# Altium PCB USB_Tool.PcbDoc
Units mil, origin at the board's own origin, x right, y up, seen from the top; angles counter-clockwise.
Board outline 826.77 x 2027.56 mil, 2 copper layers (Top Layer, Bottom Layer), stack 12.8 mil thick; 54 components, 46 nets, 254 pads, 57 vias.
Unrouted connection lines stored in the file: 10.
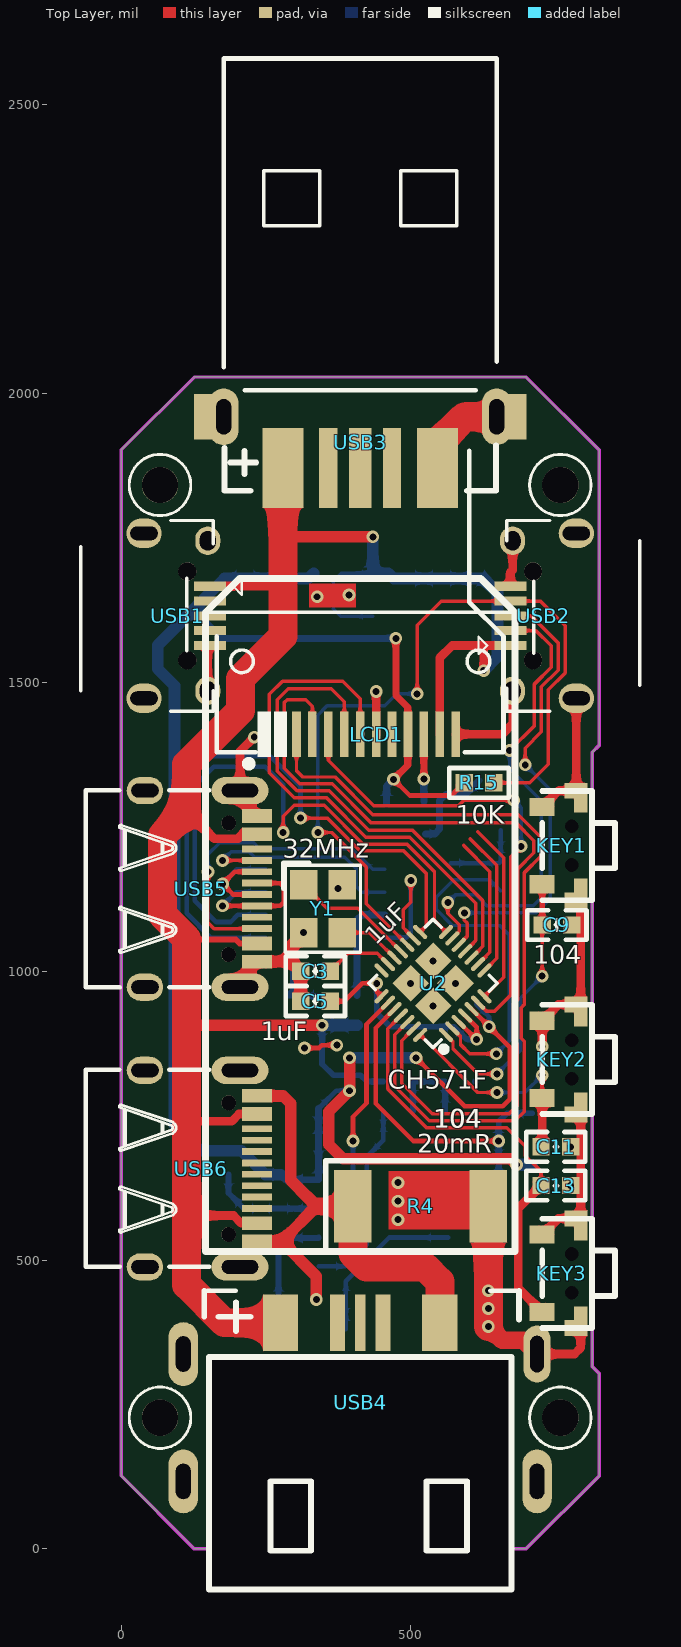
[diagram p0: Top Layer view]
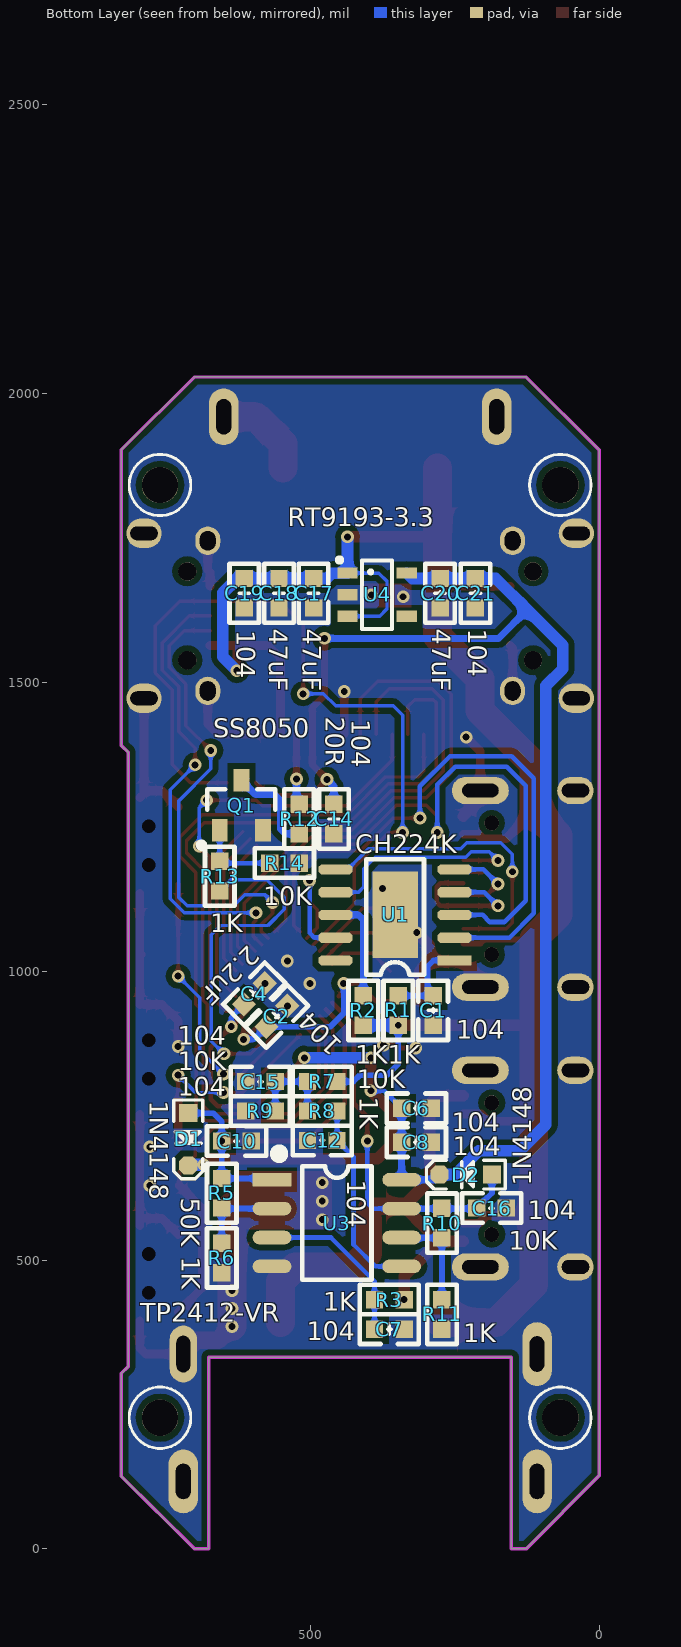
[diagram p1: Bottom Layer view, seen from below]
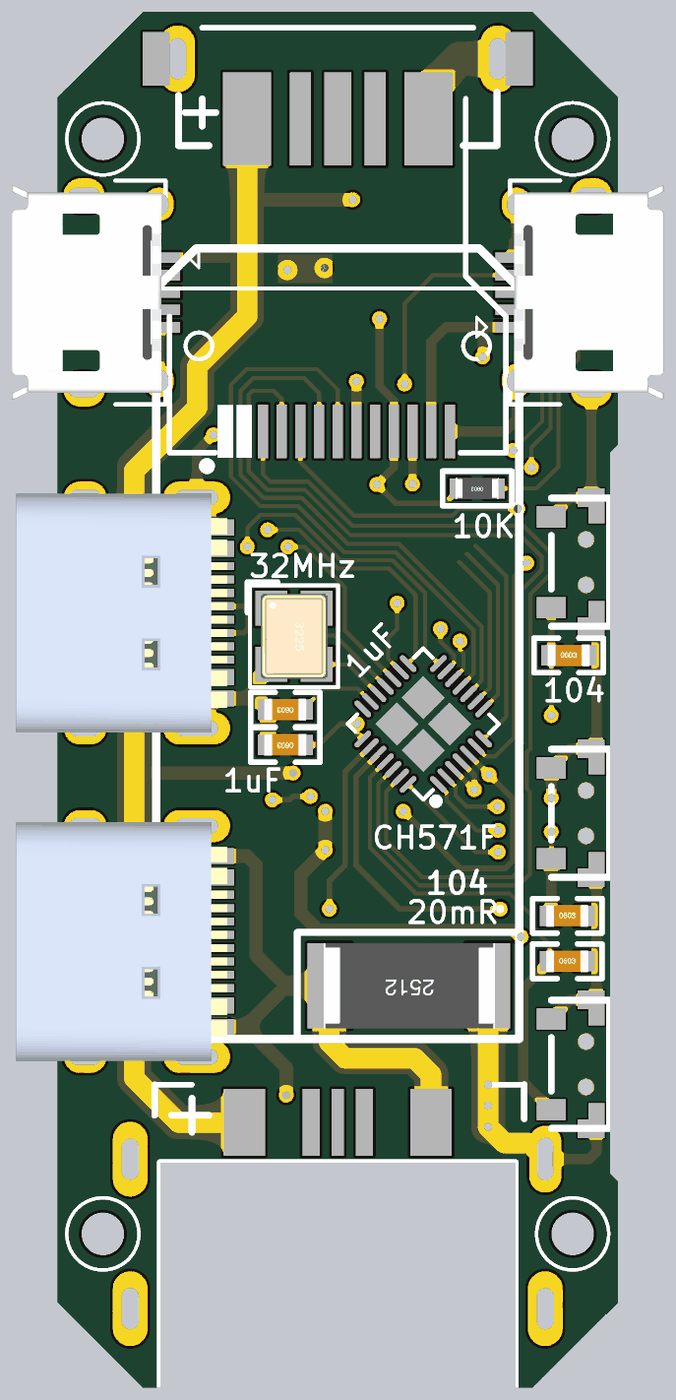
[diagram p2: 3D render of the assembled board from above, using the file's embedded part models]
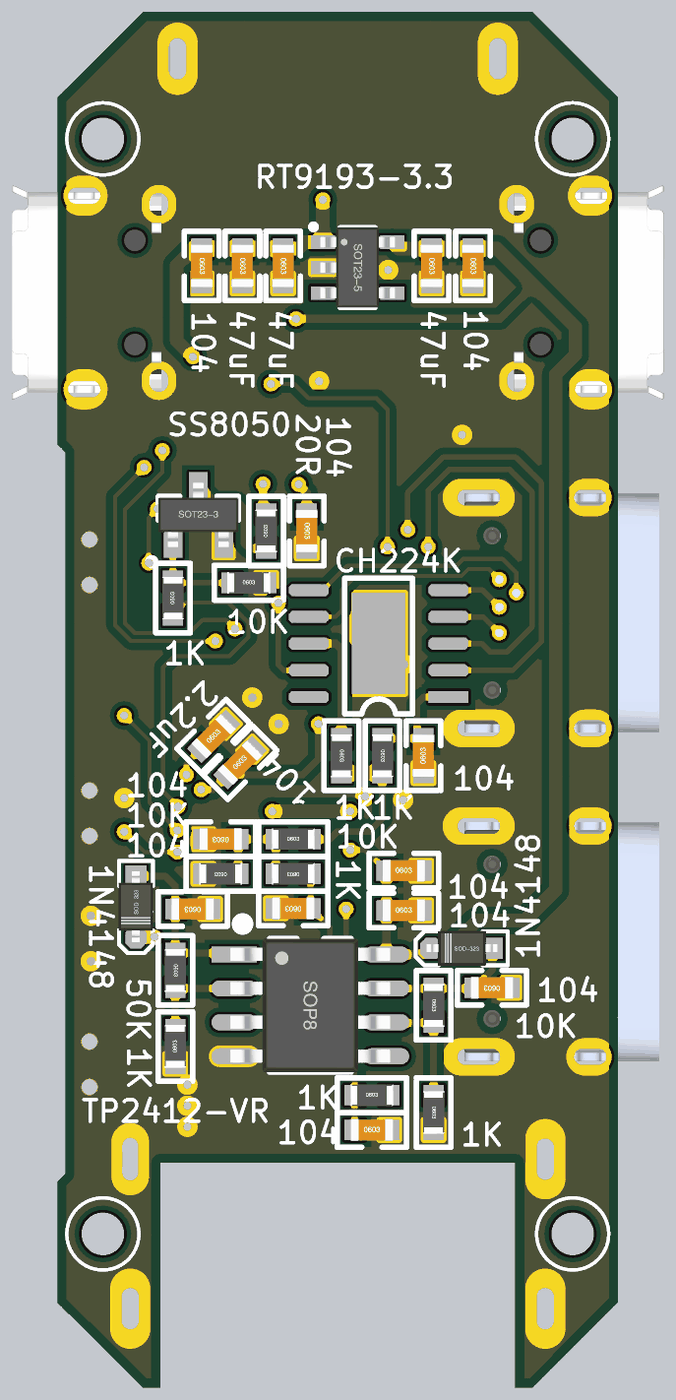
[diagram p3: 3D render of the assembled board from below, using the file's embedded part models]

## Layer stack, top to bottom
Top Solder: solder mask 0.4, Solder Resist, Dk 3.5
Top Layer: signal copper 1.4
Dielectric1: core 10, FR-4, Dk 4.2
Bottom Layer: signal copper 1.4
Bottom Solder: solder mask 0.4, Solder Resist, Dk 3.5

## Board outline
125.98,0.75 151.57,0.75 151.57,332 675.2,332 675.2,0.75 700.79,0.75 826.77,125.98 826.77,303.9 814.96,315.71 814.96,1378.7 826.77,1390.51 826.77,1902.32 700.79,2027.56 700.79,2028.31 125.98,2028.31 125.98,2027.56 0,1902.32 0,126.73

## Design rules (kind name [scope] priority, off if disabled: settings)
Clearance "Clearance - Default - DEFAULT - Net" [All] p1: gap=6 except(10: Arc-Poly Track-Poly SMDPad-Poly THPad-Poly Via-Poly Fill-Poly Poly-Poly)
ComponentClearance "ComponentClearance - Default - DEFAULT" [All] p1: gap=0 collisioncheckmode=3 verticalgap=0 showdistances=FALSE
DiffPairsRouting "DiffPairsRouting - DiffPair - Default" [All] p1: maxlimit=5 minlimit=5 mostfreqgap=5 toplayer_minwidth=5 toplayer_maxwidth=5 toplayer_prefwidth=5 bottomlayer_minwidth=5 bottomlayer_maxwidth=5 bottomlayer_prefwidth=5 maxuncoupledlength=500
FanoutControl Fanout_SOIC [IsSOIC] p1: bgadir=Out bgaviamode=Centered fanoutstyle=Auto fanoutdirection=Alternating viagrid=1 // Fanout_SOIC (Default Rule)
FanoutControl Fanout_Small [(CompPinCount < 5)] p2: bgadir=Out bgaviamode=Centered fanoutstyle=Auto fanoutdirection=OutThenIn viagrid=1 // Fanout_Small (Default Rule)
FanoutControl Fanout_LCC [IsLCC] p3: bgadir=Out bgaviamode=Centered fanoutstyle=Auto fanoutdirection=Alternating viagrid=1 // Fanout_LCC (Default Rule)
FanoutControl Fanout_BGA [IsBGA] p4: bgadir=Out bgaviamode=Centered fanoutstyle=Auto fanoutdirection=Alternating viagrid=1 // Fanout_BGA (Default Rule)
HoleSize [All] p1: absolutevalues=TRUE maxlimit=1000 minlimit=1 maxpercent=80.000 minpercent=20.000
HoleToHoleClearance "HoleToHoleClearance - Default - DEFAULT" [All] p1 off: gap=0 allowstackedmicrovias=TRUE
Length "Length - NetClass - SJ1" [InNetClass('SJ1')] p1: maxlimit=962 minlimit=937
Length "Length - NetClass - MLNetGroup5" [InNetClass('MLNetGroup5')] p2: maxlimit=18503.27 minlimit=0
Length "Length - NetClass - MLNetGroup6" [InNetClass('MLNetGroup6')] p3: maxlimit=18503.27 minlimit=0
Length "Length - NetClass - DZX" [InNetClass('DZX')] p4: maxlimit=1085 minlimit=985
Length "Length - NetClass - SJ2" [InNetClass('SJ2')] p5: maxlimit=495 minlimit=470
Length "Length - NetClass - MLNetGroup4" [InNetClass('MLNetGroup4')] p6: maxlimit=2468 minlimit=2368
Length "Default Length" [All] p7: maxlimit=50000 minlimit=0
MatchedLengths "MatchedLengths - NetClass - DZX" [InNetClass('DZX')] p1: tolerance=100 checknetsindiffpair=FALSE checkdiffpairvsdiffpair=TRUE checkxsignals=TRUE checkothers=TRUE
MatchedLengths "MatchedLengths - NetClass - SJ1" [InNetClass('SJ1')] p2: tolerance=25 checknetsindiffpair=FALSE checkdiffpairvsdiffpair=TRUE checkxsignals=TRUE checkothers=TRUE
MatchedLengths "MatchedLengths - NetClass - MLNetGroup4" [InNetClass('MLNetGroup4')] p3: tolerance=100 checknetsindiffpair=FALSE checkdiffpairvsdiffpair=TRUE checkxsignals=TRUE checkothers=TRUE
MatchedLengths "MatchedLengths - NetClass - MLNetGroup5" [InNetClass('MLNetGroup5')] p4: tolerance=200 checknetsindiffpair=FALSE checkdiffpairvsdiffpair=TRUE checkxsignals=TRUE checkothers=TRUE
MatchedLengths "MatchedLengths - NetClass - MLNetGroup6" [InNetClass('MLNetGroup6')] p5: tolerance=200 checknetsindiffpair=FALSE checkdiffpairvsdiffpair=TRUE checkxsignals=TRUE checkothers=TRUE
MatchedLengths "MatchedLengths - NetClass - SJ2" [InNetClass('SJ2')] p6: tolerance=25 checknetsindiffpair=FALSE checkdiffpairvsdiffpair=TRUE checkxsignals=TRUE checkothers=TRUE
MaxMinImpedance "Default Impedance" [All] p1: minimum=50.00 maximum=150.0
MinimumSolderMaskSliver [All] p1 off: minsoldermaskwidth=10
NetAntennae [All] p1 off: netantennaetolerance=0
ParallelSegment "Default Parallel Segment Same Layer" [All] p1 off: limit=1000 gap=200
PlaneConnect "Default PlaneConnect" [All] p1: planeconnectstyle=Relief reliefexpansion=20 reliefentries=0 reliefconductorwidth=15 reliefairgap=10
PolygonConnect "PolygonConnect - Default SMT" [IsSMTPin] p1: connectstyle=Direct reliefconductorwidth=10 reliefentries=4 polygonreliefangle="45 Angle" airgapwidth=10
PolygonConnect "PolygonConnect - Default Pad" [All] p2: connectstyle=Direct reliefconductorwidth=15 reliefentries=4 polygonreliefangle="45 Angle" airgapwidth=10
RoomDefinition USB_Tool [InComponentClass('USB_Tool')] p1: confinementstyle=ConfineIn formatcopy=TRUE lockcomponents=FALSE outline -19143.7,-8861.46 -17143.7,-8861.46 -17143.7,-7861.46 -19143.7,-7861.46
RoutingLayers "RoutingLayers - Default - DEFAULT" [All] p1: top layer_v5=TRUE bottom layer_v5=TRUE
RoutingPriority "RoutingPriority - Default - DEFAULT" [All] p1: routingpriority=3
RoutingTopology "Default Routing Topology" [All] p1: topology=Shortest
RoutingVias "RoutingVias - Default - DEFAULT" [All] p1: holewidth=12 width=22 viastyle="Through Hole" minholewidth=12 minwidth=22 maxholewidth=200 maxwidth=500
SMDToCorner "SMDToCorner - Default - DEFAULT" [All] p1: distance=0
SilkToSilkClearance [All] p1 off: silktosilkclearance=10
SilkToSolderMaskClearance [IsPad] p1 off: minsilkscreentomaskgap=10 clearancetoexposedcopper=TRUE
SolderMaskExpansion [All] p1: expansion=4
Width "Width - Net - GND" [InNet('GND')] p1: maxlimit=100 minlimit=6 preferedwidth=10 minimp=50.000000 maximp=50.000000 favimp=50.000000
Width "Width - NetClass - GND_POW" [InNetClass('GND_POW')] p2: maxlimit=100 minlimit=5 preferedwidth=16
Width "Default Width" [All] p3: maxlimit=100 minlimit=5 preferedwidth=5
14 further rules are at their usual default settings.

## Components (designator, comment, footprint, x,y, rotation, side; value= is the part's Value field where it differs from the comment)
C1 "104" "C 0603_L" 287,932 r90 bottom
C2 "104" "C 0603_L" 557.55,921.83 r135 bottom
C3 "1uF" "C 0603_L" 336,1000 r180 top
C4 "2.2uF" "C 0603_L" 596.44,960.72 r135 bottom
C5 "1uF" "C 0603_L" 336,948 r180 top
C6 "104" "C 0603_L" 316,762.6 r180 bottom
C7 "104" "C 0603_L" 363,380.42 r180 bottom
C8 "104" "C 0603_L" 316,704 r180 bottom
C9 "104" "C 0603_L" 753.94,1079.95 r0 top
C10 "104" "C 0603_L" 627.42,705.99 r0 bottom
C11 "104" "C 0603_L" 752,696 r0 top
C12 "104" "C 0603_L" 479,707 r0 bottom
C13 "104" "C 0603_L" 752,629 r0 top
C14 "104" "C 0603_L" 459,1263.34 r270 bottom
C15 "104" "C 0603_L" 586,808.99 r0 bottom
C16 "104" "C 0603_L" 186,590 r0 bottom
C17 "47uF" "C 0603_L" 494,1654 r270 bottom
C18 "47uF" "C 0603_L" 554,1654 r270 bottom
C19 "104" "C 0603_L" 614,1654 r270 bottom
C20 "47uF" "C 0603_L" 275,1654 r270 bottom
C21 "104" "C 0603_L" 214,1654 r270 bottom
D1 "1N4148" SOD-323 711,709 r270 bottom
D2 "1N4148" SOD-323 230.59,648 r0 bottom
KEY1 "KEY_3" "TSW 2*4*3.5-S-W" 779.53,1217.28 r90 top locked
KEY2 "KEY_3" "TSW 2*4*3.5-S-W" 779.53,847.2 r90 top locked
KEY3 "KEY_3" "TSW 2*4*3.5-S-W" 779.53,477.13 r90 top locked
LCD1 "LCD" 0.96LCD 413.39,1410.2 r90 top locked
Q1 "SS8050" SOT23-3N 619,1287 r180 bottom
R1 "1K" "R 0603_L" 347.5,931.99 r270 bottom
R2 "1K" "R 0603_L" 408,931.99 r270 bottom
R3 "1K" "R 0603_L" 363,431.6 r180 bottom
R4 "20mR" "R 2512_L" 519,593 r180 top
R5 "50K" "R 0603_L" 653,615.59 r270 bottom
R6 "1K" "R 0603_L" 653.01,503.59 r90 bottom
R7 "10K" "R 0603_L" 478.99,809 r180 bottom
R8 "1K" "R 0603_L" 479,758 r0 bottom
R9 "10K" "R 0603_L" 586,758 r0 bottom
R10 "10K" "R 0603_L" 272,564 r270 bottom
R11 "1K" "R 0603_L" 272,406 r270 bottom
R12 "20R" "R 0603_L" 519,1263.34 r90 bottom
R13 "1K" "R 0603_L" 656.4,1164.4 r90 bottom
R14 "10K" "R 0603_L" 544.59,1187 r180 bottom
R15 "10K" "R 0603_L" 619,1326 r180 top
U1 "CH224K" ESSOP10 250,1018.63 r90 bottom
U2 "CH571F" QFN28_4X4 539.46,978.81 r45 top locked
U3 "TP2412-VR" SOP8_N 453.8,564 r180 bottom
U4 "RT9193-3.3" SOT23-5L 384.18,1651.6 r270 bottom
USB1 "USB-5P" USB-MICRO_B 39.37,1614.92 r270 top
USB2 "USB-5P" USB-MICRO_B 787.4,1614.92 r90 top locked
USB3 "USB-A5/P" USB_A5/P_B 413.39,1910.2 r90 top locked
USB4 "USB-A5/S" USB_A5/S_B 413.39,422.01 r270 top locked
USB5 "USB TypeC" "USB Type-C" 137.8,1142.48 r270 top locked
USB6 "USB TypeC" "USB Type-C" 137.8,658.23 r270 top locked
Y1 "32MHz" "OSC 3225-4P" 349,1108 r270 top

## Footprints (in the part's own frame and the unit in brackets; to place one, negate y for a bottom-side part, rotate by r counter-clockwise, add the part's x,y. Pads: shape width x height; smd on the part's side, far side on the other; paste and mask are expansions set on the pad)
0.96LCD [mm]
  rect 2x0.38 smd: 3(0,2.8) 4(0,2.1) 5(0,1.4) 6(0,0.7) 7(0,0) 8(0,-0.7) 9(0,-1.4) 10(0,-2.1) 11(0,-2.8) 12(0,-3.5) 13(0,-4.2)
  silkscreen extent -1.45,-6.3 12.45,6.3
"C 0603_L" [mil] "无极性贴片电容"
  rect 30x30 smd: 1(-25.59,0) 2(25.59,0)
  silkscreen extent -51,-26 51,26, body extent 0,0 0,0
ESSOP10 [mm]
  rect 3.8x2 smd: 0(2.007,2.616)
  rect 0.45x1.5 smd: 1(0,0)
  oct 0.45x1.5 smd: 2(1,0) 3(2,0) 4(3,0) 5(4,0) 6(4,5.232) 7(3,5.232) 8(2,5.232) 9(1,5.232) 10(0,5.232)
  silkscreen extent -0.64,1.35 4.44,3.89
"OSC 3225-4P" [mm] "3.2*2.5*0.7mm(长宽高)"
  rect 1.3x1.2 smd: 1(-1.05,-0.85) 2(1.05,-0.85) 3(1.05,0.85) 4(-1.05,0.85)
  silkscreen extent -2.03,-1.75 1.9,1.65, body extent -1.6,-1.25 1.6,1.25, height 0.7
QFN28_4X4 [mm]
  rect 1.143x1.143 smd mask+0: 0(-0.699,-0.699) 0(-0.698,0.699) 0(0.698,0.699) 0(0.699,-0.699)
  oval 0.2x0.8 smd: 1(-1.2,-2) 2(-0.8,-2) 3(-0.4,-2) 4(0,-2) 5(0.4,-2) 6(0.8,-2) 7(1.2,-2) 15(1.2,2) 16(0.8,2) 17(0.4,2) 18(0,2) 19(-0.4,2) 20(-0.8,2) 21(-1.2,2)
  oval 0.8x0.2 smd: 8(2,-1.2) 9(2,-0.8) 10(2,-0.4) 11(2,0) 12(2,0.4) 13(2,0.8) 14(2,1.2) 22(-2,1.2) 23(-2,0.8) 24(-2,0.4) 25(-2,0) 26(-2,-0.4) 27(-2,-0.8) 28(-2,-1.2)
  silkscreen extent -2,-2.51 2,2
"R 0603_L" [mil] "1/10W贴片电阻"
  rect 30x30 smd: 1(-25.59,0) 2(25.59,0)
  silkscreen extent -51,-26 51,26, body extent 0,0 0,0
"R 2512_L" [mm] "1W贴片电阻"
  rect 1.65x3.2 smd: 1(-2.95,0) 2(3,0)
  silkscreen extent -4.1,-2 4.2,2, body extent -3.2,-1.6 3.2,1.6, height 0.55
SOD-323 [mm] "二极管"
  rect 0.8x0.8 smd mask+0.076: 1(-1.15,0)
  oct 0.8x0.8 smd mask+0.076: 2(1.15,0)
  silkscreen extent -1.73,-0.63 1.73,0.64, body extent -0.01,-0.01 -0.01,-0.01, height 0.05
SOP8_N [mm] "5*6*1.8mm（长宽高）"
  rect 1.7x0.6 smd: 1(-2.85,1.905)
  oval 1.7x0.6 smd: 2(-2.85,0.635) 3(-2.85,-0.635) 4(-2.85,-1.905) 5(2.85,-1.905) 6(2.85,-0.635) 7(2.85,0.635) 8(2.85,1.905)
  silkscreen extent -2.69,-2.5 1.52,3.2, body extent 0,0 0,0
SOT23-3N [mm] "3x1.3x1mm(长宽高)"
  rect 0.7x1 smd: 1(-0.95,-1.1) 2(0.95,-1.1) 3(0,1.1)
  silkscreen extent -1.88,-1.88 1.5,0.7, body extent 0,0 0,0
SOT23-5L [mm] "3x1.6x1.1mm(长宽高)"
  rect 0.5x0.9 smd: 1(-0.95,-1.3) 2(0,-1.3) 3(0.95,-1.3) 4(0.95,1.3) 5(-0.95,1.3)
  silkscreen extent -1.6,-1.73 1.5,0.66, body extent 0,0 0,0
"TSW 2*4*3.5-S-W" [mm]
  rect 0.7x1 smd mask+0.064: 0(-2.413,-0.19) 0(2.413,-0.19)
  rect 1.3x0.6 smd mask+0.064: 0(-2.1,-0.395) 0(2.1,-0.395)
  round 0 hole 0.6: 0(-0.85,0) 0(0.85,0)
  rect 0.8x1.1 smd mask+0.064: 1(1.7,1.3) 2(-1.7,1.3)
  silkscreen extent -2.4,-1.9 2.4,1.3
"USB Type-C" [mm] "USB Type-C 12P/16P"
  rect 0.6x1.3 smd mask+0.064: 1(-3.2,2.462) 2(-2.4,2.462) 11(2.4,2.462) 12(3.2,2.462)
  rect 0.3x1.3 smd mask+0.064: 3(-1.75,2.462) 4(-1.25,2.462) 5(-0.75,2.462) 6(-0.25,2.462) 7(0.25,2.462) 8(0.75,2.462) 9(1.25,2.462) 10(1.75,2.462)
  oval 1.2x2.5 hole 0.6 slot 1.6 at 90 deg: SH1(-4.32,1.717) SH3(4.32,1.717)
  oval 1.2x1.6 hole 0.6 slot 1.2 at 90 deg: SH2(-4.32,-2.462) SH4(4.32,-2.462)
  round 0.65 hole 0.65 unplated mask+0: ""(-2.89,1.218) ""(2.89,1.218)
  silkscreen extent -4.34,-5.07 4.32,0.37, body extent -4.47,-5.04 4.47,2.86, height 3.2
USB-MICRO_B [mm] "micro型USB ，5.7*7.8*2.5mm"
  rect 0.4x1.4 smd: 1(-1.3,2.9) 2(-0.65,2.9) 3(0,2.9) 4(0.65,2.9) 5(1.3,2.9)
  oval 1.3x1.55 hole 0.6 slot 1.2 at 90 deg: 6(-3.625,0) 6(3.625,0)
  oval 1.25x1.1 hole 0.7 slot 0.85 at 0 deg: 6(-3.3,2.8) 6(3.3,2.8)
  round 0.8 hole 0.8 unplated: ""(-1.95,1.9) ""(1.95,1.9)
  silkscreen extent -4.19,-2.79 4.19,4.3, body extent -4,-2.71 4,2.89, height 2.8
USB_A5/P_B [mm]
  rect 3.5x1.8 smd: 1(-1,3.4) 5(-1,-3.4)
  rect 3.5x0.8 smd: 2(-1,1.4) 4(-1,-1.4)
  rect 3.5x1 smd: 3(-1,0)
  oval 2.5x1.3 hole 0.65 slot 1.55 at 0 deg: 6(1.25,6) 6(1.25,-6)
  rect 2x1 smd: 6(1.25,6.8) 6(1.25,-6.8)
  silkscreen extent -2,-6 17,6
USB_A5/S_B [mm]
  rect 2.5x1.55 smd: 1(0.773,-3.5) 5(0.773,3.5)
  rect 2.5x0.65 smd: 2(0.773,-1) 4(0.773,1)
  rect 2.5x0.45 smd: 3(0.773,0)
  oval 2.8x1.3 hole 1.55 slot 0.65 at 90 deg: 6(2.15,-7.775) 6(7.75,7.775) 6(7.75,-7.775)
  silkscreen extent -0.63,-6.86 12.5,6.98

## Part data
C1 C2 C3 C4 C5 C6 C7 C8 C9 C10 C11 C12 C13 C15 C16 C17 C18 C19 C20 C21: library part C, "无极性贴片电容"
C14: library part C, "无极性电容"
D1 D2: library part D, "二极管"
KEY1 KEY2 KEY3: "侧按键"
LCD1: library part "LCD 0.96", "0.96 LCD 80*160"
Q1: library part 8050-SMD, "高频放大-NPN型"
R1 R2 R3 R4 R5 R6 R7 R8 R9 R10 R11 R12 R13 R14 R15: library part R, "贴片电阻"
U1: "USB PD & Type-C & Fast Charge Power Consumer Controller"
U2: "RISC-V MCU with BLE/USB/ADC/SPI/2*UART"
U3: library part TP2412, "低噪双路运放 5.5V 10MHz 1mV"
U4: library part "LDO RT9193", "LDO"
USB1 USB2 USB3 USB4: library part "USB 2.0 micro B", "micro_USB母座"
USB5 USB6: library part "USB 2.0 Type C", "12P TypeC 母座"
Y1: library part Y-3225-4P, "晶振25MHz"

## Free pads (board coordinates)
  oval 47.24x98.43 hole 23.62 slot 62.99 at 90 deg: 6(719.49,337.36)
  round 62.99 hole 62.99 unplated: 8(66.93,227.13) 8(66.93,1841.3) 8(759.84,227.13) 8(759.84,1841.3)

## Via types
v1: diameter 22, hole 12, Top Layer to Bottom Layer, 57 vias

## Nets (pads, with @x,y where several pads share a name; then routed paths per layer and width w, separated by ;. In a path a pad name is that pad's centre, name@x,y a point inside that pad or via, vN(x,y) a via of type N, cw(c..) or ccw(c..) an arc to the next point about the centre after c; other vN are vias at no path point)
ANT: U2.21
CC1: U1.7 USB5.4 | length 394.3
  Top Layer w6: v1(175,1191.69) USB5.4
  Bottom Layer w6: v1(175,1191.69) 190.31,1207 221,1207 231,1197 387,1197 407,1177 407,1146 416.26,1136.74 U1.7
CC2: U1.6 USB5.10 | length 540.4
  Top Layer w6: v1(150,1172) 150,1084 151,1083 160.42,1073.58 USB5.10
  Bottom Layer w6: v1(150,1172) 150,1202 170,1222 229,1222 239,1212 399,1212 434.89,1176.11 U1.6
CFG1: U1.9 U2.16 | length 252.4
  Top Layer w6: v1(501,1157) 501,1119 488,1106 488,1074.81 U2.16
  Bottom Layer w8: U1.9 493,1058 501,1066 v1(501,1157)
CFG2: U1.2 U2.15 | length 1041.1
  Top Layer w6: v1(310,1265) 356.18,1265 413.18,1208 489.09,1208 528,1169.09 528,1078.71 U2.15
  Bottom Layer w8: U1.2 155,1058 113,1100 113,1334 151,1372 258,1372 310,1320 v1(310,1265)
CFG3: U1.3 U2.14 | length 1062.8
  Top Layer w6: v1(280,1240) 280,1268 299,1287 351.15,1287 418.15,1220 494.06,1220 542,1172.06 542,1087.63 U2.14
  Bottom Layer w8: U1.3 201.37,1097.37 189,1085 164,1085 127,1122 127,1321 160,1354 249,1354 280,1323 v1(280,1240)
D+: USB1.3 USB3.3 USB4.3 USB6.6 USB6.8
D-: USB1.2 USB3.2 USB4.2 USB6.5 USB6.7
DM: U1.5 USB5.5 USB5.7 | length 221.2
  Top Layer w8: USB5.7 193.36,1132.64 v1(175,1151) 196.01,1172.01 USB5.5
  Bottom Layer w8: v1(175,1151) 200.11,1176.11 U1.5
DP: U1.4 USB5.6 USB5.8 | length 269.2
  Top Layer w8: v1(175,1112.95) USB5.8 274.95,1112.95 281,1119 281,1146 274.68,1152.32 USB5.6
  Bottom Layer w8: v1(175,1112.95) 198.79,1136.74 U1.4
GND: C1.1 C2.2 C3.2 C4.2 C5.2 C6.2 C7.2 C8.2 C9.2 C10.1 C11.2 C12.2 C13.2 C14.2 C15.2 C16.1 C17.2 C18.2 C19.2 C20.2 C21.2 KEY1.0 KEY1.1 KEY2.0 KEY2.1 KEY3.0 KEY3.1 LCD1.8 LCD1.13 pad.6 Q1.2 R4.1 R6.1 R9.2 R11.2 R14.2 U1.0 U2.0 U3.4 U4.2 USB1.5 USB1.6 USB2.5 USB2.6 USB3.5 USB3.6 USB4.6 USB5.1 USB5.12 USB5.SH1 USB5.SH2 USB5.SH3 USB5.SH4 USB6.SH1 USB6.SH2 USB6.SH3 USB6.SH4 Y1.2 Y1.4 | length 2286.6
  Top Layer w8: v1(317,867) 342,867 347,872 v1(373,872)
  Top Layer w15: USB1.6@149.61,1485 149.61,1559.81 USB1.5 ; USB5.SH1 205.41,1380.41 v1(230,1405) ; LCD1.8 v1(440.95,1483.95) ; LCD1.13 659.2,1410.2 677.17,1428.17 USB2.6@677.17,1485 ; USB2.5 673.23,1690.23 677.17,1694.17 USB2.6@677.17,1744.84 ; pad.6 784.36,337.36 795.09,348.09 KEY3.0@795.09,394.45 ; KEY3.1 756.42,572.13 KEY3.0@787.03,572.13 ; v1(728.35,869.65) KEY2.1 756.42,942.21 KEY2.0@787.03,942.21 ; KEY1.1 756.42,1312.28 KEY1.0@787.03,1312.28 ; USB2.6@787.4,1472.21 787.4,1307.65 KEY1.0@795.09,1299.96 ; 792.85,1028.76 795.09,1031 ; KEY3.0@795.09,559.8 KEY2.0@795.09,752.21 ; KEY2.0@795.09,942.21 795.09,1031 ; KEY1.0@795.09,1134.61 795.09,1031
  Top Layer w20: USB5.SH3 205.41,987.17 USB5.12 293.92,1016.5 ; USB5.SH1 205.41,1297.8 USB5.1 ; C5.2 C3.2 293.92,1016.5 ; v1(315.54,1066.66) 293.92,1045.04 293.92,1016.5
  Top Layer w30: v1(635.14,385) 659.14,361 695.85,361 pad.6
  Top Layer w50: USB3.5 547.24,1913.24 593.41,1959.41 USB3.6@649.61,1959.41 ; v1(635.14,385) v1(635.14,416) v1(635.14,447) R4.1
  Bottom Layer w10: C15.2 C15.2@613,809
  other v1: 479,570 479,602 777.59,629 479,634 777.59,696 539.46,939.92 500.57,978.81 578.35,978.81 539.46,1017.7 375,1143 339,1648 394,1651
I_OUT: C10.2 D1.1 R5.1 U2.24 U3.1 | length 667.4
  Top Layer w8: U2.24 440,901.63 440,771 505.01,706 v1(653.01,706)
  Bottom Layer w10: U3.1 568.19,641.19 R5.1 v1(653.01,706) 653.01,740.01 667.28,754.28 D1.1
ID: USB1.4 USB3.4 USB4.4
KEY1: C9.1 KEY1.2 U2.1 | length 483.8
  Top Layer w6: U2.1 574,877.46 574,866 618,822 v1(650,822) ; v1(728.35,991.35) C9.1
  Top Layer w10: C9.1 KEY1.2
  Bottom Layer w6: v1(650,822) 691.15,863.15 691.15,954.15 v1(728.35,991.35)
KEY2: C11.1 KEY2.2 U2.28 | length 389.7
  Top Layer w6: U2.28 616.92,790 v1(650,790) ; KEY2.2 v1(728.35,820)
  Top Layer w15: C11.1 728.35,697.94 KEY2.2
  Bottom Layer w6: v1(650,790) 698.35,790 v1(728.35,820)
KEY3: C13.1 KEY3.2 U2.25 | length 747.1
  Top Layer w6: U2.25 461,900.36 461,796.09 528.09,729 667,729 699,697 699,680.68 726.41,653.27 C13.1
  Top Layer w15: C13.1 687,589.59 687,451.54 KEY3.2
LCD_BL: R13.1 U2.2 | length 614.5
  Top Layer w6: U2.2 587,886.73 587,873 603,857 v1(649,857)
  Bottom Layer w6: v1(649,857) 671,879 671,1063 655,1079 573,1079 545,1107 545,1128 575,1158 637.21,1158 R13.1
LCD_CS: LCD1.7 U2.11 | length 918.6
  Top Layer w6: LCD1.7 413.39,1471.61 383,1502 279,1502 256,1479 256,1343.09 299.09,1300 355.12,1300 423.12,1232 499.03,1232 613.69,1117.34 613.69,1053.05 U2.11
LCD_RES: LCD1.6 U2.10 | length 868.4
  Top Layer w6: LCD1.6 385.83,1466.17 363,1489 289.03,1489 270,1469.97 270,1346.06 304.06,1312 360.09,1312 428.09,1244 504,1244 625.69,1122.31 625.69,1042.78 U2.10
LCD_RS: LCD1.5 U2.6 | length 827
  Top Layer w6: LCD1.5 358.27,1364.73 437,1286 583,1286 593,1296 v1(679,1296) ; U2.6 631.81,931 646,931 673.69,958.69 673.69,1197.69 v1(692,1216)
  Bottom Layer w6: v1(679,1296) 692,1283 v1(692,1216)
LCD_SCL: LCD1.4 U2.27 | length 1509.6
  Top Layer w6: LCD1.4 330.71,1458.29 319,1470 287,1470 282,1465 282,1351.03 309.03,1324 365.06,1324 432.06,1257 683,1257 714,1226 714,1205 685.69,1176.69 685.69,950.69 678,943 678,880.93 685,873.93 685,767 671,753 538.03,753 485,806.03 485,879.81 U2.27
LCD_SDA: LCD1.3 U2.26 | length 1400.4
  Top Layer w6: LCD1.3 303.15,1346.85 314,1336 370.03,1336 435.03,1271 687,1271 726,1232 726,1199 697.69,1170.69 697.69,942.69 692,937 692,883.9 697,878.9 697,757 681,741 533.06,741 473,801.06 473,890.08 U2.26
NetC1_2: C1.2 R1.1 U1.1 | length 166.5
  Bottom Layer w10: U1.1 286.37,1018.63 297,1008 297,967.59 C1.2 R1.1
NetC7_1: C7.1 R3.1 U3.3 | length 291.8
  Bottom Layer w8: C7.1 R3.1 388.59,463.59 464,539 U3.3
NetC12_1: C12.1 R8.1 U3.5 | length 341.9
  Bottom Layer w8: U3.5 387,489 425,527 425,678.6 C12.1 R8.1
NetC15_1: C15.1 R7.1 R8.2 R9.1 | length 157.8
  Bottom Layer w10: R8.2 R7.1 C15.1 R9.1
NetLCD1_11: LCD1.11 R12.2 | length 116.6
  Top Layer w12: v1(523.62,1332.62) LCD1.11
  Bottom Layer w12: R12.2@523.62,1293.55 v1(523.62,1332.62)
NetQ1_1: Q1.1 R13.2 R14.1 | length 141.2
  Bottom Layer w8: R14.1 653.41,1187 R13.2 Q1.1
NetQ1_3: Q1.3 R12.1 | length 159.3
  Bottom Layer w12: R12.1@526.75,1237.75 542.75,1237.75 551,1246 551,1295 562,1306 594.69,1306 Q1.3
NetR2_1: R2.1 U1.8 | length 182.9
  Bottom Layer w12: R2.1 408,1089 416.37,1097.37 U1.8
NetR5_2: R5.2 R6.2 U3.2 | length 148.2
  Bottom Layer w10: U3.2 652,589 R5.2 R6.2
NetR10_2: R10.2 R11.1 U3.6 | length 176.7
  Bottom Layer w10: R11.1 R10.2 341,538.41 U3.6
OUTG: R3.2 R4.2 USB4.5 USB6.1 USB6.12 | length 900.7
  Top Layer w20: USB6.12 277.24,532.24 ; USB6.1 279.79,784.21 293,771 293,638 338,593 277.24,532.24 ; v1(337.41,431.59) 337.41,472.08 277.24,532.24 ; R4.2@400.89,569.89 R4.2
  Top Layer w30: 338,593 R4.2
  Top Layer w50: R4.2@400.89,569.89 400.89,511.11 424,488 526,488 551.18,462.82 USB4.5
PA4: C16.2 D2.1 R10.1 U2.23 U3.7 | length 635.1
  Top Layer w8: v1(401,706) 401,748 424.34,771.34 424.34,908.24 U2.23
  Bottom Layer w8: U3.7 391,589 402,600 401,601 v1(401,706)
  Bottom Layer w10: D2.1 185.32,616.27 C16.2 212.59,589 U3.7
PA9: U2.7 | length 317.4
  Top Layer w6: 616.5,1241.5 661.69,1196.31 661.69,989.69 U2.7
PB10: U2.13 USB2.2 | length 826.9
  Top Layer w6: v1(565,1119) 565,1100 585,1080 585,1068.9 U2.13 ; v1(672,1382) 715,1425 715,1497 744,1526 744,1563 717.67,1589.33 USB2.2
  Bottom Layer w6: v1(565,1119) 578,1132 613,1132 632,1113 713,1113 727,1127 727,1295 672,1350 v1(672,1382)
PB11: U2.12 USB2.3 | length 808.4
  Top Layer w6: U2.12 598.69,1060.31 598.69,1083.31 593.69,1088.31 v1(593.69,1101) ; USB2.3 709.05,1614.92 756,1567.97 756,1521.03 727,1492.03 727,1414 699,1386 v1(699,1357)
  Bottom Layer w6: v1(593.69,1101) 718,1101 742,1125 742,1314 v1(699,1357)
PB14: U2.9 | length 232.4
  Top Layer w6: 592.49,1217.51 637.69,1172.31 637.69,1032.51 U2.9
PB15: U2.8 | length 256.3
  Top Layer w6: 603.5,1229.5 649.69,1183.31 649.69,1022.24 U2.8
PB22: R15.1 U2.17 USB2.4 | length 1432.5
  Top Layer w6: v1(340,1240) 364.21,1240 424,1180.21 424,1116.54 U2.17 ; v1(512,1480) 512,1599 553.51,1640.51 USB2.4 725.49,1640.51 768,1598 768,1516.06 739,1487.06 739,1358 707,1326 R15.1
  Bottom Layer w6: v1(340,1240) 340,1443 356,1459 456,1459 477,1480 v1(512,1480)
USB: C17.1 C18.1 C19.1 LCD1.12 R1.2 R2.2 R7.2 U4.1 U4.3 USB1.1 USB2.1 USB3.1 USB4.1 USB5.2 USB5.11 USB6.2 USB6.11 | length 3931
  Top Layer w10: 113,906 113.41,906.41 ; 113,1056 114,1055 198,1055 205.01,1047.99 USB5.11
  Top Layer w15: 113,577 194,577 207.26,563.74 USB6.11 ; 113,1277 161,1229 201.78,1229 209.75,1236.97 USB5.2 ; 118,740 191,740 203.72,752.72 USB6.2 ; USB1.1 278.63,1666.1 279.53,1667 ; LCD1.12 551.18,1542.18 572.74,1563.74 630,1563.74 ; v1(627,1520) 627,1560.74 630,1563.74 ; USB2.1 630,1563.74
  Top Layer w20: 113.41,906.41 v1(347.5,906.41) ; 279.53,1753 280.89,1751.64 v1(435.36,1751.64)
  Top Layer w50: USB4.1 178.43,391.58 113,457 113,577 113,906 113,1056 71,1098 71,1235 113,1277 113,1358 206,1451 206,1506 279.53,1579.53 279.53,1667 279.53,1753 USB3.1
  Bottom Layer w6: U4.3 379.8,1614.2 367,1627 367,1675 381,1689 U4.1
  Bottom Layer w10: v1(347.5,906.41) 347.5,839.5 367,820 414,820 425,809 R7.2
  Bottom Layer w20: v1(347.5,906.41) R2.2 ; v1(435.36,1751.64) U4.1 462,1689 471.41,1679.59 C17.1 C18.1 C19.1 626.41,1679.59 651,1655 651,1544 v1(627,1520)
VDCIA: C2.1 C5.1 U2.3 U2.4 U2.22 | length 455.6
  Top Layer w8: C5.1 386,948 417,979 v1(442,979) 442,964.91 U2.22 ; U2.3 614,882 v1(615,882) 615,903.27 U2.4
  Bottom Layer w10: v1(442,979) 442,927 465.27,903.73 C2.1 597.38,882 v1(615,882)
VDD33: C4.1 C6.1 C8.1 C14.1 C20.1 C21.1 D1.2 D2.2 LCD1.10 R15.2 U2.5 U3.8 U4.5 | length 3547.5
  Top Layer w8: v1(471,1332) 499,1304 571.41,1304 R15.2 ; v1(510,850) 594,766 660,766 672,778 672,868.54 v1(636.54,904) U2.5
  Top Layer w12: v1(471,1332) 496.06,1357.06 LCD1.10 496.06,1455.94 475,1477 v1(475,1576)
  Top Layer w20: v1(395,850) v1(395,793) 359,757 359,700 384,675 674,675 v1(684,665)
  Bottom Layer w8: C6.1 372,793 v1(395,793) ; C4.1 636.54,920.62 v1(636.54,904)
  Bottom Layer w12: 124.5,1625.5 174,1576 v1(475,1576) ; D2.2 284.87,639 U3.8 C8.1 C6.1 ; C14.1 459,1320 v1(471,1332)
  Bottom Layer w20: D2.2 249,648 208,689 137,689 92,734 92,1494 63,1523 63,1564 124.5,1625.5 178.59,1679.59 C21.1 C20.1 323.59,1679.59 U4.5 ; v1(395,850) v1(510,850) ; v1(684,665) 709.72,665 D1.2
VINTA: C3.1 U2.20 | length 120.5
  Top Layer w6: C3.1 392.59,1031 442.73,1031 U2.20
X32MI: U2.19 Y1.3 | length 108.1
  Top Layer w6: Y1.3 429.34,1066.66 U2.19
X32MO: U2.18 Y1.1 | length 215.8
  Top Layer w6: Y1.1 355.87,1109 409.27,1109 U2.18
pads on no net: LCD1.9 U1.10 U4.4 USB1. USB2. USB5. USB5.3 USB5.9 USB6. USB6.3 USB6.4 USB6.9 USB6.10

## Polygon pours and split planes (outlines as drawn)
GND on Bottom Layer "Mechanical 1-No Net" (solid, remove dead copper, pour order 533): 125.98,0.75 151.57,0.75 151.57,332 675.2,332 675.2,0.75 700.79,0.75 826.77,125.98 826.77,303.9 814.96,315.71 814.96,1378.7 826.77,1390.51 826.77,1902.32 700.79,2027.56 700.79,2028.31 125.98,2028.31 125.98,2027.56 0,1902.32 0,126.73

## Keep-outs
Keep-Out Layer:
  lines w5.98: 814.96,315.71 814.96,1378.7
  lines w6: 125.99,0 0,126.73 0,1902.32 125.99,2027.56 ; 125.99,0.75 151.58,0.75 151.58,332 675.2,332 675.2,0.75 700.79,0.75 826.77,125.98 ; 125.99,2028.31 700.79,2028.31 ; 700.79,2027.56 826.77,1902.32 826.77,1390.51 814.96,1378.7 ; 814.96,315.71 826.77,303.9 826.77,126.73

## Other copper
Top Layer:
  rectangle net GND: 325,1629 406,1671
  rectangle net GND: 462,553 625,654

## Silkscreen, mask and mechanical layers (free items; w line width, h text height)
Top Overlay:
  circle w5: c759.84,227.13 r53.15
  circle w5: c66.93,227.13 r53.15
  circle w5: c759.84,1841.3 r53.15
  circle w5: c66.93,1841.3 r53.15
  rectangle: 236.03,1371 259.03,1449
  rectangle: 264,1371 287,1449
  lines w5.91: 145.67,1620.83 681.1,1620.83
  lines w12: 145.67,514.53 145.67,1620.83 204.73,1679.88 622.05,1679.88 681.1,1620.83 681.1,514.53 413.39,514.53 145.67,514.53
Bottom Overlay:
  circle w5: c66.93,227.13 r53.15
  circle w5: c759.84,227.13 r53.15
  circle w5: c66.93,1841.3 r53.15
  circle w5: c759.84,1841.3 r53.15
Top Solder:
  lines w30: 270,391 179,391 113,457 113,1352 206,1445 206,1506 280,1580 280,1872 ; 401,540 401,509 424,486 527,486 551,462 551,390 ; 635,594 635,385 659,361 696,361
Mechanical 1:
  lines w5.98: 814.96,315.71 814.96,1378.7
  lines w6: 125.99,0 0,126.73 0,1902.32 125.99,2027.56 ; 125.99,0.75 151.58,0.75 151.58,332 675.2,332 675.2,0.75 700.79,0.75 826.77,125.98 ; 125.99,2028.31 700.79,2028.31 ; 700.79,2027.56 826.77,1902.32 826.77,1390.51 814.96,1378.7 ; 814.96,315.71 826.77,303.9 826.77,126.73
Mechanical 13:
  lines w12: 145.67,514.53 145.67,1620.83 204.73,1679.88 622.05,1679.88 681.1,1620.83 681.1,514.53 413.39,514.53 145.67,514.53